# KiCad board PANEL5x4_COM_MOD.kicad_pcb (continued)
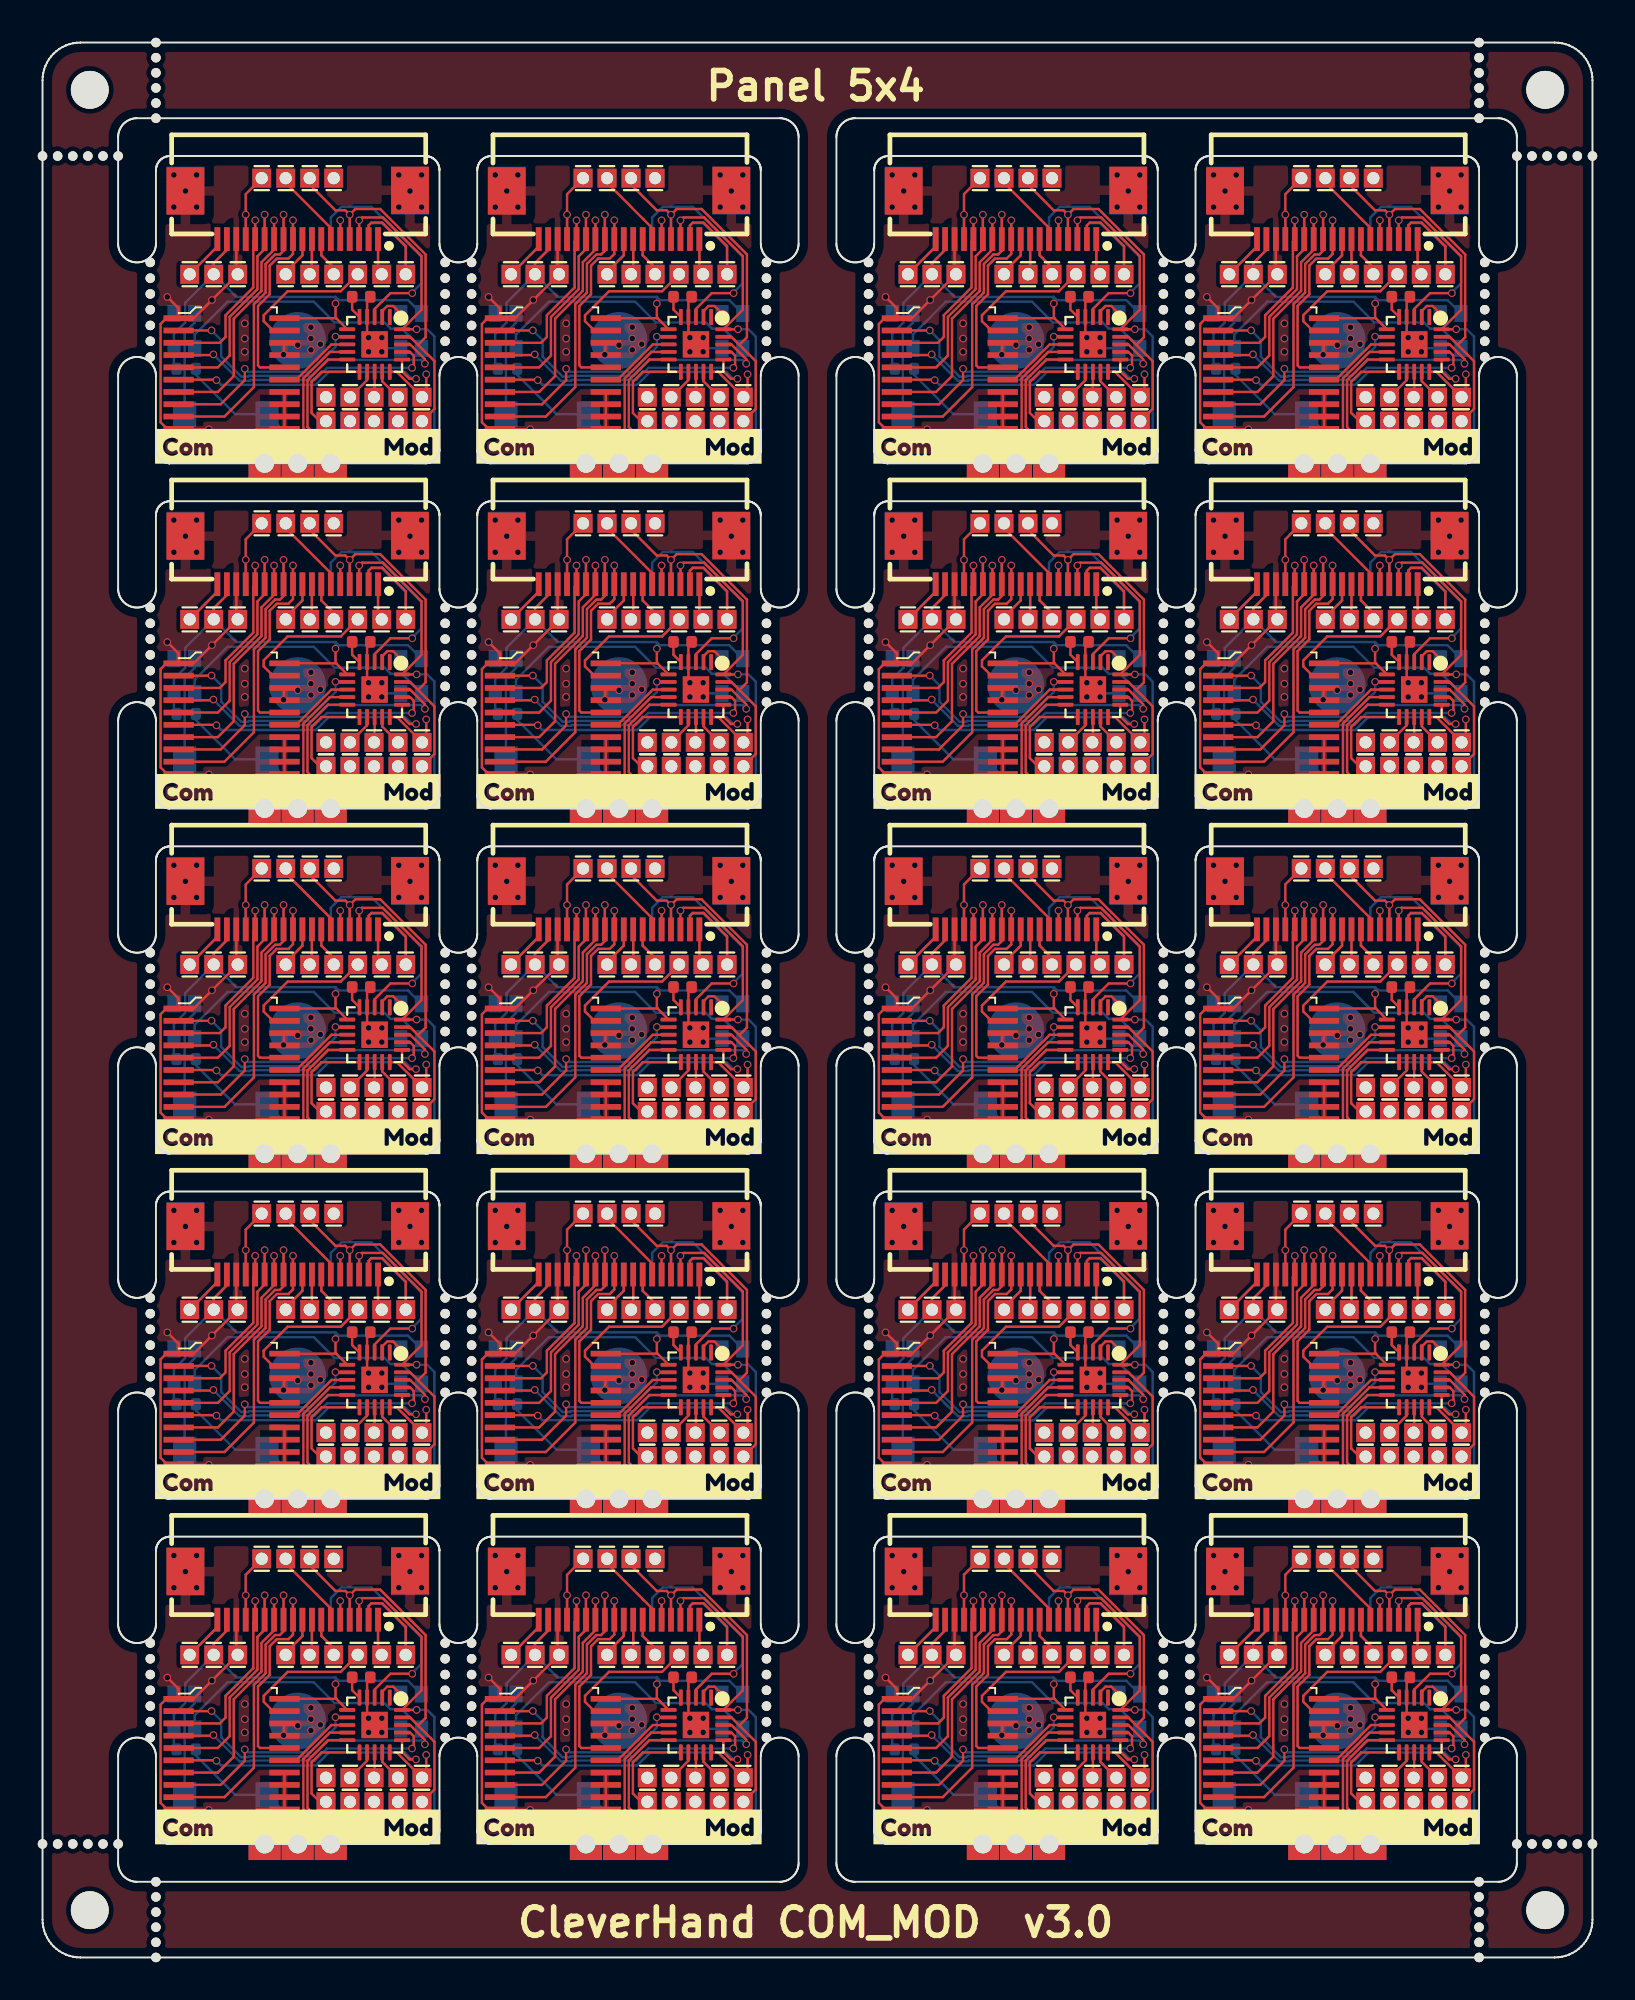
[diagram p0: board, top side]
## Routing (per net, layer and track width the routed paths; a pad name or vN(x,y) marks a point on that pad's centre or on a via; arc(x,y) is an arc through that point) (continued)
  Bottom w0.127: 56.81,81.23 57.46,80.58 58.73,80.58 58.73,85.71 58.35,86.09 v1(57.79,86.09) ; v1(54.75,91.85) 54.75,90.83
Board_2-/I2C_SDA: length 21.5
  Top w0.127: 57.87,85.27 58.27,85.67 58.27,90.05 55.86,92.45 54.55,92.45 v1(54.25,92.15) ; 57.87,85.27 57.44,85.69 U1#9.19 ; 57.87,85.27 58.73,84.4 58.73,81.88 58.08,81.23 ; v1(54.25,92.15) 54.02,92.38 53.49,92.38 52.13,93.74 J10#17.1 ; v1(54.25,92.15) 54.25,90.83
  Bottom w0.127: v1(54.25,92.15) 54.25,90.83
Board_2-/IO1_in: length 12.2
  Top w0.127: v1(57.56,88) 56.4,88 55.57,87.17 U1#9.3
  Bottom w0.127: 53.25,90.83 53.25,92 53.81,92.56 55.4,92.56 58.05,89.91 58.05,88.53 57.56,88.04 v1(57.56,88)
Board_2-/IO1_out: length 24.7
  Top w0.127: J4#9.1 50.87,93.84 53.25,91.45 53.25,90.83 ; U1#9.15 56.74,83.84 58.08,82.5 58.3,82.72 v1(58.3,83.71)
  In2.Cu w0.127: v1(58.3,83.71) 58.64,84.05 58.64,89.71 55.7,92.65 55.7,93.09 54.01,94.78 51.09,94.78 50.87,94.55 J4#9.1
Board_2-/IO2: length 2.1
  Top w0.127: v1(53.75,91.85) 53.75,90.83
  Bottom w0.127: 53.75,90.83 v1(53.75,91.85)
Board_2-/LED_IN: length 1.6
  Top w0.127: v1(56.95,86.92) 56.55,87.32 56.23,87.32 55.97,87.05 U1#9.2
Board_2-/PICO: length 3.7
  Top w0.127: J6#16.1 52.25,89.12 52.25,90.83
  Bottom w0.127: 52.25,90.83 52.25,89.12 J6#16.1
Board_2-/PICO_ARM: length 1.4
  Top w0.127: U1#9.13 55.57,82.53 55.54,82.5
Board_2-/POCI: length 4.4
  Top w0.127: 51.75,90.83 51.75,90 50.87,89.12 J5#4.1
  Bottom w0.127: 51.75,90.83 51.75,90 50.87,89.12 J5#4.1
Board_2-/SCLK: length 4.2
  Top w0.127: 52.75,90.83 52.75,90 53.41,89.35 J7#19.1
  Bottom w0.127: J7#19.1 53.41,89.35 52.75,90 52.75,90.83
Board_2-/SCLK_ARM: length 1.7
  Top w0.127: 54.27,82.5 55.17,83.4 U1#9.12
Board_2-/SPICS_ARM: length 9.9
  Top w0.127: U1#9.9 53.2,84.89 51.8,83.49 51.8,80.83 52.27,80.36 54.67,80.36 55.54,81.23
Board_2-/SWDIO/POCI_ARM: length 1.7
  Top w0.127: U1#9.14 55.97,83.34 56.81,82.5
Board_2-/Vcap: length 1.2
  Top w0.127: U1#9.5 54.38,87.13 C1#3.2
Board_2-GND: length 34.7
  Top w0.127: U2#11.18 v1(50.75,84.75) U2#11.17 ; U2#11.1 45.2,87.2 v1(44.6,87.8) ; U2#11.1 46,86.68 v1(46.96,87.64) J2#17.1 48.25,89.08 48.25,90.83 ; U2#11.1 44.55,86.68 44.25,86.37 44.25,81.17 44.59,80.83 U2#11.10 45.23,80.8 v1(46.8,80.8) ; U2#11.11 49.32,80.83 v1(49.1,80.6) ; U2#11.11 51.45,80.83 ; U2#11.11 U2#11.14 50.34,82.78 ; U1#9.21 55.25,85.61 v1(55.25,85.65) 55.21,85.65 55.17,85.69 U1#9.4 55.17,87.64 C1#3.1
  Bottom w0.127: 48.25,90.83 48.25,89.08 J2#17.1 ; 55.66,85.09 55.76,85.09 v1(55.95,84.9) 56.13,85.09 56.95,85.09 ; 45.51,81.6 45.51,85.9 46.05,86.44 46.05,86.92 46.24,86.92 v1(46.96,87.64)
  vias: v1(44.95,94.25) v1(44.95,92.55) v1(45.56,93.4) v1(46.15,94.25) v1(46.15,92.55) v1(48.7,86.4) v1(48.7,85.6) v1(48.7,84.9) v1(51.5,85.25) v1(52.2,86.2) v1(52.2,85.6) v1(52.2,85) v1(52.7,85.3) v1(55.25,84.9) v1(55.95,85.65) v1(56.85,94.25) v1(56.85,92.55) v1(57.44,93.4) v1(58.05,94.25) v1(58.05,92.55)
Board_2-Net-(LED1-DO): length 14.5
  Bottom w0.127: 46.05,85.09 46.05,85.81 47.79,87.55 52.35,87.55 53.45,86.45 56.09,86.45 56.41,86.13 57.01,86.13 58.05,85.09
Board_3-+3.3V: length 26.7
  Top w0.127: J1#18.1 64.06,89.59 64.75,90.29 64.75,90.83 ; 70.55,86.66 70.53,86.68 U2#3.20 ; 70.55,86.66 70.5,86.71 v1(70.5,87.45) ; 70.55,86.66 U1#12.6
  Bottom w0.127: J1#18.1 65.25,87.8 70.5,87.8 ; J1#18.1 64.06,89.59 64.75,90.29 64.75,90.83 ; J1#18.1 62.55,87.49 62.55,86.45 61.95,85.85 61.95,84.14 R1#11.1 ; 70.5,87.8 70.67,87.63 74.34,87.63 75.05,86.92 ; 70.5,87.8 v1(70.5,87.45)
Board_3-/addr_bus_0: length 10.5
  Top w0.127: v1(66.25,91.85) 66.25,90.83 66.15,90.73 66.15,88.3 64.68,86.83 64.68,85.68 64.37,85.38 U2#3.3
  Bottom w0.127: 66.25,90.83 v1(66.25,91.85)
Board_3-/addr_bus_1: length 12.5
  Top w0.127: v1(66.75,92.15) 66.75,90.33 66.37,89.95 66.37,88.21 64.9,86.74 64.9,84.7 64.27,84.08 U2#3.5
  Bottom w0.127: 66.75,90.83 v1(66.75,92.15)
Board_3-/addr_bus_2: length 13.4
  Top w0.127: v1(67.25,91.85) 67.25,90.3 66.58,89.63 66.58,88.12 65.12,86.65 65.12,83.62 64.27,82.78 U2#3.7
  Bottom w0.127: 67.25,90.83 v1(67.25,91.85)
Board_3-/addr_bus_3: length 15.9
  Top w0.127: v1(67.75,92.15) 67.75,90.24 67.55,90.05 67.3,90.05 66.8,89.54 66.8,88.03 66.18,87.41 66.18,83.03 64.62,81.48 U2#3.9
  Bottom w0.127: 67.75,90.83 v1(67.75,92.15)
Board_3-/addr_bus_4: length 11.3
  Top w0.127: U2#3.16 66.5,84.08 66.4,84.18 66.4,87.32 67.02,87.94 67.02,89.45 67.39,89.83 68.01,89.83 68.25,90.07 v1(68.25,91.85)
  Bottom w0.127: 68.25,90.83 v1(68.25,91.85)
Board_3-/addr_mod_0: length 16.8
  Top w0.127: v1(63.94,86.03) 63.93,86.03 U2#3.2 ; v1(75.23,84.27) 75.23,84.51 74.44,85.29 U1#12.18
  Bottom w0.127: v1(63.94,86.03) 64.45,85.52 64.45,84.65 65.51,83.59 65.87,83.59 65.91,83.63 69.27,83.63 70.12,84.47 75.03,84.47 v1(75.23,84.27)
Board_3-/addr_mod_1: length 14.6
  Top w0.127: U2#3.4 64,84.73 v1(64.04,84.76) ; v1(74.55,84.05) 74.55,84.11 74.64,84.2 74.64,84.7 74.44,84.89 U1#12.17
  Bottom w0.127: v1(74.55,84.05) 70.05,84.05 69.41,83.41 66,83.41 65.96,83.37 65.42,83.37 64.04,84.75 v1(64.04,84.76)
Board_3-/addr_mod_2: length 14.6
  Top w0.127: v1(74.76,83.47) 74.42,83.47 74.02,83.87 U1#12.16 ; v1(64.2,83.4) 64.17,83.43 U2#3.6
  Bottom w0.127: v1(64.2,83.4) 64.45,83.15 69.46,83.15 70.14,83.83 74.18,83.83 74.55,83.47 v1(74.76,83.47)
Board_3-/addr_mod_3: length 11.2
  Top w0.127: U1#12.7 70.69,85.69 70.68,85.7 v1(70.5,85.7) ; v1(65.7,84) 65.7,83.4 64.42,82.13 U2#3.8
  Bottom w0.127: v1(65.7,84) 65.85,83.85 69.18,83.85 70.5,85.16 v1(70.5,85.7)
Board_3-/addr_mod_4: length 4.1
  Top w0.127: U2#3.15 68.42,83.43 70.29,85.29 71.12,85.29 U1#12.8
Board_3-/AIN0: length 5.3
  Top w0.127: 70,81.23 69.67,81.23 69.23,81.67 69.23,83.31 69.76,83.84 U1#12.11
Board_3-/AUX1: length 4.9
  Top w0.127: J19#8.1 64.25,90.47 64.25,90.83
  Bottom w0.127: 64.25,90.83 64.25,90.47 J19#8.1
Board_3-/AUX2: length 9.5
  Top w0.127: J20#7.1 74.22,90.49 72.97,91.73 72.4,91.73 72.25,91.58 72.25,90.83
  Bottom w0.127: 72.25,90.83 72.25,91.58 72.37,91.7 72.96,91.7 74.22,90.44 J20#7.1
Board_3-/AUX3: length 4.9
  Top w0.127: J3#15.1 65.75,93.24 v1(65.75,92.15) 65.75,90.83
  Bottom w0.127: v1(65.75,92.15) 65.75,90.83
Board_3-/CSB: length 7.5
  Top w0.127: U2#3.19 67.19,86.03 66.7,86.52 66.7,86.83 67.97,88.1 70.78,88.1 J8#7.1
Board_3-/extRef: length 3.8
  Top w0.127: 72.75,90.83 72.75,89.2 J9#3.1
  Bottom w0.127: J9#3.1 72.75,89.2 72.75,90.83
Board_3-/GPIO: length 17.7
  Top w0.127: 71.27,81.23 70.62,80.58 69.36,80.58 69.02,80.92 69.02,83.4 70.1,84.49 U1#12.10
  Bottom w0.127: R1#11.2 63.11,83.68 65.19,81.6 66.88,81.6 67.91,80.58 70.62,80.58 71.27,81.23
Board_3-/i2C_SCL: length 22.5
  Top w0.127: 71.75,90.83 v1(71.75,91.85) 71.9,92 73.01,92 75.05,89.96 75.05,87.12 U1#12.20 v1(74.79,86.09)
  In2.Cu w0.127: v1(71.75,91.85) 71.75,92.74 J23#8.1
  Bottom w0.127: v1(74.79,86.09) 75.35,86.09 75.73,85.71 75.73,80.58 74.46,80.58 73.81,81.23 ; v1(71.75,91.85) 71.75,90.83
Board_3-/I2C_SDA: length 21.5
  Top w0.127: 74.87,85.27 75.27,85.67 75.27,90.05 72.86,92.45 71.55,92.45 v1(71.25,92.15) ; 74.87,85.27 74.44,85.69 U1#12.19 ; 74.87,85.27 75.73,84.4 75.73,81.88 75.08,81.23 ; v1(71.25,92.15) 71.02,92.38 70.5,92.38 69.14,93.74 J10#10.1 ; v1(71.25,92.15) 71.25,90.83
  Bottom w0.127: v1(71.25,92.15) 71.25,90.83
Board_3-/IO1_in: length 12.2
  Top w0.127: U1#12.3 72.57,87.17 73.4,88 v1(74.56,88)
  Bottom w0.127: 70.25,90.83 70.25,92 70.81,92.56 72.4,92.56 75.05,89.91 75.05,88.53 74.56,88.04 v1(74.56,88)
Board_3-/IO1_out: length 24.7
  Top w0.127: v1(75.3,83.71) 75.3,82.72 75.08,82.5 73.74,83.84 U1#12.15 ; J4#18.1 67.86,93.84 70.25,91.45 70.25,90.83
  In2.Cu w0.127: J4#18.1 67.86,94.55 68.09,94.78 71.01,94.78 72.7,93.09 72.7,92.65 75.64,89.71 75.64,84.05 v1(75.3,83.71)
Board_3-/IO2: length 2.1
  Top w0.127: v1(70.75,91.85) 70.75,90.83
  Bottom w0.127: 70.75,90.83 v1(70.75,91.85)
Board_3-/LED_IN: length 1.6
  Top w0.127: U1#12.2 72.97,87.05 73.23,87.32 73.55,87.32 v1(73.95,86.92)
Board_3-/PICO: length 3.7
  Top w0.127: J6#12.1 69.25,89.12 69.25,90.83
  Bottom w0.127: 69.25,90.83 69.25,89.12 J6#12.1
Board_3-/PICO_ARM: length 1.4
  Top w0.127: 72.54,82.5 72.57,82.53 U1#12.13
Board_3-/POCI: length 4.4
  Top w0.127: J5#14.1 67.86,89.12 68.75,90 68.75,90.83
  Bottom w0.127: 68.75,90.83 68.75,90 67.86,89.12 J5#14.1
Board_3-/SCLK: length 4.2
  Top w0.127: J7#17.1 70.41,89.35 69.75,90 69.75,90.83
  Bottom w0.127: 69.75,90.83 69.75,90 70.41,89.35 J7#17.1
Board_3-/SCLK_ARM: length 1.7
  Top w0.127: U1#12.12 72.17,83.4 71.27,82.5
Board_3-/SPICS_ARM: length 9.9
  Top w0.127: U1#12.9 70.2,84.89 68.8,83.49 68.8,80.83 69.27,80.36 71.67,80.36 72.54,81.23
Board_3-/SWDIO/POCI_ARM: length 1.7
  Top w0.127: U1#12.14 72.97,83.34 73.81,82.5
Board_3-/Vcap: length 1.2
  Top w0.127: C1#4.2 71.38,87.13 U1#12.5
Board_3-GND: length 34.7
  Top w0.127: U2#3.1 63,86.68 v1(63.96,87.64) J2#16.1 65.25,89.08 65.25,90.83 ; U2#3.1 61.55,86.68 61.25,86.37 61.25,81.17 61.59,80.83 U2#3.10 62.23,80.8 v1(63.8,80.8) ; U2#3.1 62.2,87.2 v1(61.6,87.8) ; v1(66.1,80.6) 66.32,80.83 U2#3.11 ; U2#3.17 v1(67.75,84.75) U2#3.18 ; U2#3.11 68.45,80.83 ; U2#3.11 U2#3.14 67.34,82.78 ; U1#12.21 72.25,85.61 v1(72.25,85.65) 72.21,85.65 72.17,85.69 U1#12.4 72.17,87.64 C1#4.1
  Bottom w0.127: J2#16.1 65.25,89.08 65.25,90.83 ; v1(63.96,87.64) 63.24,86.92 63.05,86.92 63.05,86.44 62.51,85.9 62.51,81.6 ; 72.66,85.09 72.76,85.09 v1(72.95,84.9) 73.13,85.09 73.95,85.09
  vias: v1(61.95,94.25) v1(61.95,92.55) v1(62.56,93.4) v1(63.15,94.25) v1(63.15,92.55) v1(65.7,86.4) v1(65.7,85.6) v1(65.7,84.9) v1(68.5,85.25) v1(69.2,86.2) v1(69.2,85.6) v1(69.2,85) v1(69.7,85.3) v1(72.25,84.9) v1(72.95,85.65) v1(73.85,94.25) v1(73.85,92.55) v1(74.44,93.4) v1(75.05,94.25) v1(75.05,92.55)
Board_3-Net-(LED1-DO): length 14.5
  Bottom w0.127: 63.05,85.09 63.05,85.81 64.79,87.55 69.35,87.55 70.45,86.45 73.09,86.45 73.41,86.13 74.01,86.13 75.05,85.09
Board_4-+3.3V: length 26.7
  Top w0.127: v1(15.5,69.2) 15.5,68.46 15.55,68.41 ; J1.1 9.05,71.34 9.75,72.04 9.75,72.58 ; 15.55,68.41 U1#5.6 ; 15.55,68.41 15.53,68.43 U2#7.20
  Bottom w0.127: 15.5,69.55 v1(15.5,69.2) ; 15.5,69.55 10.25,69.55 J1.1 ; 15.5,69.55 15.67,69.38 19.34,69.38 20.05,68.67 ; J1.1 7.55,69.24 7.55,68.2 6.95,67.6 6.95,65.89 R1#15.1 ; J1.1 9.05,71.34 9.75,72.04 9.75,72.58
Board_4-/addr_bus_0: length 10.5
  Top w0.127: U2#7.3 9.37,67.13 9.68,67.43 9.68,68.58 11.15,70.05 11.15,72.48 11.25,72.58 v1(11.25,73.6)
  Bottom w0.127: 11.25,72.58 v1(11.25,73.6)
Board_4-/addr_bus_1: length 12.5
  Top w0.127: U2#7.5 9.27,65.83 9.9,66.45 9.9,68.49 11.37,69.96 11.37,71.7 11.75,72.08 v1(11.75,73.9)
  Bottom w0.127: 11.75,72.58 v1(11.75,73.9)
Board_4-/addr_bus_2: length 13.4
  Top w0.127: v1(12.25,73.6) 12.25,72.05 11.58,71.38 11.58,69.87 10.12,68.4 10.12,65.37 9.27,64.53 U2#7.7
  Bottom w0.127: 12.25,72.58 v1(12.25,73.6)
Board_4-/addr_bus_3: length 15.9
  Top w0.127: v1(12.75,73.9) 12.75,71.99 12.55,71.8 12.3,71.8 11.8,71.29 11.8,69.78 11.18,69.16 11.18,64.78 9.62,63.23 U2#7.9
  Bottom w0.127: 12.75,72.58 v1(12.75,73.9)
Board_4-/addr_bus_4: length 11.3
  Top w0.127: v1(13.25,73.6) 13.25,71.82 13.01,71.58 12.39,71.58 12.02,71.2 12.02,69.69 11.4,69.07 11.4,65.93 11.5,65.83 U2#7.16
  Bottom w0.127: 13.25,72.58 v1(13.25,73.6)
Board_4-/addr_mod_0: length 16.8
  Top w0.127: v1(8.94,67.78) 8.93,67.78 U2#7.2 ; U1#5.18 19.44,67.04 20.23,66.26 v1(20.23,66.02)
  Bottom w0.127: v1(20.23,66.02) 20.03,66.22 15.12,66.22 14.27,65.38 10.91,65.38 10.87,65.34 10.51,65.34 9.45,66.4 9.45,67.27 v1(8.94,67.78)
Board_4-/addr_mod_1: length 14.6
  Top w0.127: v1(9.04,66.51) 9,66.48 U2#7.4 ; v1(19.55,65.8) 19.55,65.86 19.64,65.95 19.64,66.45 19.44,66.64 U1#5.17
  Bottom w0.127: v1(9.04,66.51) 9.04,66.5 10.42,65.12 10.96,65.12 11,65.16 14.41,65.16 15.05,65.8 v1(19.55,65.8)
Board_4-/addr_mod_2: length 14.6
  Top w0.127: U2#7.6 9.17,65.18 v1(9.2,65.15) ; v1(19.76,65.22) 19.42,65.22 19.02,65.62 U1#5.16
  Bottom w0.127: v1(19.76,65.22) 19.55,65.22 19.18,65.58 15.14,65.58 14.46,64.9 9.45,64.9 v1(9.2,65.15)
Board_4-/addr_mod_3: length 11.2
  Top w0.127: U1#5.7 15.69,67.44 15.68,67.45 v1(15.5,67.45) ; v1(10.7,65.75) 10.7,65.15 9.42,63.88 U2#7.8
  Bottom w0.127: v1(15.5,67.45) 15.5,66.91 14.18,65.6 10.85,65.6 v1(10.7,65.75)
Board_4-/addr_mod_4: length 4.1
  Top w0.127: U1#5.8 16.12,67.04 15.29,67.04 13.42,65.18 U2#7.15
Board_4-/AIN0: length 5.3
  Top w0.127: U1#5.11 14.76,65.59 14.23,65.06 14.23,63.42 14.67,62.98 15,62.98
Board_4-/AUX1: length 4.9
  Top w0.127: J19#11.1 9.25,72.22 9.25,72.58
  Bottom w0.127: J19#11.1 9.25,72.22 9.25,72.58
Board_4-/AUX2: length 9.5
  Top w0.127: 17.25,72.58 17.25,73.33 17.4,73.48 17.97,73.48 19.21,72.24 J20#15.1
  Bottom w0.127: 17.25,72.58 17.25,73.33 17.37,73.45 17.96,73.45 19.21,72.19 J20#15.1
Board_4-/AUX3: length 4.9
  Top w0.127: 10.75,72.58 v1(10.75,73.9) 10.75,74.99 J3#16.1
  Bottom w0.127: v1(10.75,73.9) 10.75,72.58
Board_4-/CSB: length 7.5
  Top w0.127: U2#7.19 12.19,67.78 11.7,68.27 11.7,68.58 12.97,69.85 15.77,69.85 J8#5.1
Board_4-/extRef: length 3.8
  Top w0.127: J9.1 17.75,70.95 17.75,72.58
  Bottom w0.127: 17.75,72.58 17.75,70.95 J9.1
Board_4-/GPIO: length 17.7
  Top w0.127: U1#5.10 15.1,66.24 14.02,65.15 14.02,62.67 14.36,62.33 15.62,62.33 16.27,62.98
  Bottom w0.127: R1#15.2 8.11,65.43 10.19,63.35 11.88,63.35 12.91,62.33 15.62,62.33 16.27,62.98
Board_4-/i2C_SCL: length 22.5
  Top w0.127: 16.75,72.58 v1(16.75,73.6) 16.9,73.75 18.01,73.75 20.05,71.71 20.05,68.87 U1#5.20 v1(19.79,67.84)
  In2.Cu w0.127: v1(16.75,73.6) 16.75,74.49 J23#17.1
  Bottom w0.127: v1(16.75,73.6) 16.75,72.58 ; v1(19.79,67.84) 20.35,67.84 20.73,67.46 20.73,62.33 19.46,62.33 18.81,62.98
Board_4-/I2C_SDA: length 21.5
  Top w0.127: 19.87,67.02 19.44,67.44 U1#5.19 ; 19.87,67.02 20.27,67.42 20.27,71.8 17.86,74.2 16.55,74.2 v1(16.25,73.9) ; 19.87,67.02 20.73,66.15 20.73,63.63 20.08,62.98 ; 16.25,72.58 v1(16.25,73.9) ; v1(16.25,73.9) 16.02,74.13 15.5,74.13 14.14,75.49 J10#13.1
  Bottom w0.127: v1(16.25,73.9) 16.25,72.58
Board_4-/IO1_in: length 12.2
  Top w0.127: U1#5.3 17.57,68.92 18.4,69.75 v1(19.56,69.75)
  Bottom w0.127: v1(19.56,69.75) 19.56,69.79 20.05,70.28 20.05,71.66 17.4,74.31 15.81,74.31 15.25,73.75 15.25,72.58
Board_4-/IO1_out: length 24.7
  Top w0.127: v1(20.3,65.46) 20.3,64.47 20.08,64.25 18.74,65.59 U1#5.15 ; J4#7.1 12.86,75.59 15.25,73.2 15.25,72.58
  In2.Cu w0.127: J4#7.1 12.86,76.3 13.09,76.53 16.01,76.53 17.7,74.84 17.7,74.4 20.64,71.46 20.64,65.8 v1(20.3,65.46)
Board_4-/IO2: length 2.1
  Top w0.127: v1(15.75,73.6) 15.75,72.58
  Bottom w0.127: 15.75,72.58 v1(15.75,73.6)
Board_4-/LED_IN: length 1.6
  Top w0.127: v1(18.95,68.67) 18.55,69.07 18.23,69.07 17.97,68.8 U1#5.2
Board_4-/PICO: length 3.7
  Top w0.127: 14.25,72.58 14.25,70.87 J6#5.1
  Bottom w0.127: 14.25,72.58 14.25,70.87 J6#5.1
Board_4-/PICO_ARM: length 1.4
  Top w0.127: U1#5.13 17.57,64.28 17.54,64.25
Board_4-/POCI: length 4.4
  Top w0.127: 13.75,72.58 13.75,71.75 12.86,70.87 J5#20.1
  Bottom w0.127: 13.75,72.58 13.75,71.75 12.86,70.87 J5#20.1
Board_4-/SCLK: length 4.2
  Top w0.127: J7#7.1 15.41,71.1 14.75,71.75 14.75,72.58
  Bottom w0.127: J7#7.1 15.41,71.1 14.75,71.75 14.75,72.58
Board_4-/SCLK_ARM: length 1.7
  Top w0.127: U1#5.12 17.17,65.15 16.27,64.25
Board_4-/SPICS_ARM: length 9.9
  Top w0.127: 17.54,62.98 16.67,62.11 14.27,62.11 13.8,62.58 13.8,65.24 15.2,66.64 U1#5.9
Board_4-/SWDIO/POCI_ARM: length 1.7
  Top w0.127: U1#5.14 17.97,65.09 18.81,64.25
Board_4-/Vcap: length 1.2
  Top w0.127: C1#12.2 16.38,68.88 U1#5.5
Board_4-GND: length 34.7
  Top w0.127: U2#7.11 13.45,62.58 ; U2#7.11 U2#7.14 12.34,64.53 ; U2#7.11 11.32,62.58 v1(11.1,62.35) ; U2#7.1 7.2,68.95 v1(6.6,69.55) ; U2#7.1 8,68.43 v1(8.96,69.39) J2#9.1 10.25,70.83 10.25,72.58 ; U2#7.1 6.55,68.43 6.25,68.12 6.25,62.92 6.59,62.58 U2#7.10 7.23,62.55 v1(8.8,62.55) ; U2#7.18 v1(12.75,66.5) U2#7.17 ; U1#5.21 17.25,67.36 v1(17.25,67.4) 17.21,67.4 17.17,67.44 U1#5.4 17.17,69.39 C1#12.1
  Bottom w0.127: 7.51,63.35 7.51,67.65 8.05,68.19 8.05,68.67 8.24,68.67 v1(8.96,69.39) ; 10.25,72.58 10.25,70.83 J2#9.1 ; 18.95,66.84 18.13,66.84 v1(17.95,66.65) 17.76,66.84 17.66,66.84
  vias: v1(6.95,76) v1(6.95,74.3) v1(7.56,75.15) v1(8.15,76) v1(8.15,74.3) v1(10.7,68.15) v1(10.7,67.35) v1(10.7,66.65) v1(13.5,67) v1(14.2,67.95) v1(14.2,67.35) v1(14.2,66.75) v1(14.7,67.05) v1(17.25,66.65) v1(17.95,67.4) v1(18.85,76) v1(18.85,74.3) v1(19.44,75.15) v1(20.05,76) v1(20.05,74.3)
Board_4-Net-(LED1-DO): length 14.5
  Bottom w0.127: 8.05,66.84 8.05,67.56 9.79,69.3 14.35,69.3 15.45,68.2 18.09,68.2 18.41,67.88 19.01,67.88 20.05,66.84
Board_5-+3.3V: length 26.7
  Top w0.127: 32.55,68.41 32.53,68.43 U2#2.20 ; 32.55,68.41 32.5,68.46 v1(32.5,69.2) ; 32.55,68.41 U1#11.6 ; J1#17.1 26.05,71.34 26.75,72.04 26.75,72.58
  Bottom w0.127: J1#17.1 24.55,69.24 24.55,68.2 23.95,67.6 23.95,65.89 R1#3.1 ; J1#17.1 26.05,71.34 26.75,72.04 26.75,72.58 ; J1#17.1 27.26,69.55 32.5,69.55 ; 32.5,69.55 32.67,69.38 36.34,69.38 37.05,68.67 ; 32.5,69.55 v1(32.5,69.2)
Board_5-/addr_bus_0: length 10.5
  Top w0.127: U2#2.3 26.37,67.13 26.68,67.43 26.68,68.58 28.15,70.05 28.15,72.48 28.25,72.58 v1(28.25,73.6)
  Bottom w0.127: 28.25,72.58 v1(28.25,73.6)
Board_5-/addr_bus_1: length 12.5
  Top w0.127: U2#2.5 26.27,65.83 26.9,66.45 26.9,68.49 28.37,69.96 28.37,71.7 28.75,72.08 v1(28.75,73.9)
  Bottom w0.127: 28.75,72.58 v1(28.75,73.9)
Board_5-/addr_bus_2: length 13.4
  Top w0.127: v1(29.25,73.6) 29.25,72.05 28.58,71.38 28.58,69.87 27.12,68.4 27.12,65.37 26.27,64.53 U2#2.7
  Bottom w0.127: 29.25,72.58 v1(29.25,73.6)
Board_5-/addr_bus_3: length 15.9
  Top w0.127: v1(29.75,73.9) 29.75,71.99 29.55,71.8 29.3,71.8 28.8,71.29 28.8,69.78 28.18,69.16 28.18,64.78 26.62,63.23 U2#2.9
  Bottom w0.127: 29.75,72.58 v1(29.75,73.9)
Board_5-/addr_bus_4: length 11.3
  Top w0.127: v1(30.25,73.6) 30.25,71.82 30.01,71.58 29.39,71.58 29.02,71.2 29.02,69.69 28.4,69.07 28.4,65.93 28.5,65.83 U2#2.16
  Bottom w0.127: 30.25,72.58 v1(30.25,73.6)
Board_5-/addr_mod_0: length 16.8
  Top w0.127: v1(25.94,67.78) 25.93,67.78 U2#2.2 ; U1#11.18 36.44,67.04 37.23,66.26 v1(37.23,66.02)
  Bottom w0.127: v1(37.23,66.02) 37.03,66.22 32.12,66.22 31.27,65.38 27.91,65.38 27.87,65.34 27.51,65.34 26.45,66.4 26.45,67.27 v1(25.94,67.78)
Board_5-/addr_mod_1: length 14.6
  Top w0.127: U1#11.17 36.44,66.64 36.64,66.45 36.64,65.95 36.55,65.86 v1(36.55,65.8) ; U2#2.4 26,66.48 v1(26.04,66.51)
  Bottom w0.127: v1(26.04,66.51) 26.04,66.5 27.42,65.12 27.96,65.12 28,65.16 31.41,65.16 32.05,65.8 v1(36.55,65.8)
Board_5-/addr_mod_2: length 14.6
  Top w0.127: U1#11.16 36.02,65.62 36.42,65.22 v1(36.76,65.22) ; v1(26.2,65.15) 26.17,65.18 U2#2.6
  Bottom w0.127: v1(26.2,65.15) 26.45,64.9 31.46,64.9 32.14,65.58 36.18,65.58 36.55,65.22 v1(36.76,65.22)
Board_5-/addr_mod_3: length 11.2
  Top w0.127: v1(32.5,67.45) 32.68,67.45 32.69,67.44 U1#11.7 ; v1(27.7,65.75) 27.7,65.15 26.42,63.88 U2#2.8
  Bottom w0.127: v1(32.5,67.45) 32.5,66.91 31.18,65.6 27.85,65.6 v1(27.7,65.75)
Board_5-/addr_mod_4: length 4.1
  Top w0.127: U2#2.15 30.42,65.18 32.29,67.04 33.12,67.04 U1#11.8
Board_5-/AIN0: length 5.3
  Top w0.127: 32,62.98 31.67,62.98 31.23,63.42 31.23,65.06 31.76,65.59 U1#11.11
Board_5-/AUX1: length 4.9
  Top w0.127: 26.25,72.58 26.25,72.22 J19#12.1
  Bottom w0.127: J19#12.1 26.25,72.22 26.25,72.58
Board_5-/AUX2: length 9.5
  Top w0.127: J20#17.1 36.22,72.24 34.97,73.48 34.4,73.48 34.25,73.33 34.25,72.58
  Bottom w0.127: J20#17.1 36.22,72.19 34.96,73.45 34.37,73.45 34.25,73.33 34.25,72.58
Board_5-/AUX3: length 4.9
  Top w0.127: 27.75,72.58 v1(27.75,73.9) 27.75,74.99 J3#9.1
  Bottom w0.127: v1(27.75,73.9) 27.75,72.58
Board_5-/CSB: length 7.5
  Top w0.127: J8#4.1 32.77,69.85 29.97,69.85 28.7,68.58 28.7,68.27 29.19,67.78 U2#2.19
Board_5-/extRef: length 3.8
  Top w0.127: J9#5.1 34.75,70.95 34.75,72.58
  Bottom w0.127: 34.75,72.58 34.75,70.95 J9#5.1
Board_5-/GPIO: length 17.7
  Top w0.127: 33.27,62.98 32.62,62.33 31.36,62.33 31.02,62.67 31.02,65.15 32.1,66.24 U1#11.10
  Bottom w0.127: 33.27,62.98 32.62,62.33 29.91,62.33 28.88,63.35 27.19,63.35 25.11,65.43 R1#3.2
Board_5-/i2C_SCL: length 22.5
  Top w0.127: v1(36.79,67.84) U1#11.20 37.05,68.87 37.05,71.71 35.01,73.75 33.9,73.75 v1(33.75,73.6) 33.75,72.58
  In2.Cu w0.127: v1(33.75,73.6) 33.75,74.49 J23#6.1
  Bottom w0.127: 35.81,62.98 36.46,62.33 37.73,62.33 37.73,67.46 37.35,67.84 v1(36.79,67.84) ; v1(33.75,73.6) 33.75,72.58
Board_5-/I2C_SDA: length 21.5
  Top w0.127: v1(33.25,73.9) 33.02,74.13 32.49,74.13 31.13,75.49 J10#18.1 ; v1(33.25,73.9) 33.25,72.58 ; v1(33.25,73.9) 33.55,74.2 34.86,74.2 37.27,71.8 37.27,67.42 36.87,67.02 ; 37.08,62.98 37.73,63.63 37.73,66.15 36.87,67.02 ; U1#11.19 36.44,67.44 36.87,67.02
  Bottom w0.127: v1(33.25,73.9) 33.25,72.58
Board_5-/IO1_in: length 12.2
  Top w0.127: U1#11.3 34.57,68.92 35.4,69.75 v1(36.56,69.75)
  Bottom w0.127: v1(36.56,69.75) 36.56,69.79 37.05,70.28 37.05,71.66 34.4,74.31 32.81,74.31 32.25,73.75 32.25,72.58
Board_5-/IO1_out: length 24.7
  Top w0.127: 32.25,72.58 32.25,73.2 29.87,75.59 J4#12.1 ; U1#11.15 35.74,65.59 37.08,64.25 37.3,64.47 v1(37.3,65.46)
  In2.Cu w0.127: v1(37.3,65.46) 37.64,65.8 37.64,71.46 34.7,74.4 34.7,74.84 33.01,76.53 30.09,76.53 29.87,76.3 J4#12.1
Board_5-/IO2: length 2.1
  Top w0.127: v1(32.75,73.6) 32.75,72.58
  Bottom w0.127: 32.75,72.58 v1(32.75,73.6)
Board_5-/LED_IN: length 1.6
  Top w0.127: U1#11.2 34.97,68.8 35.23,69.07 35.55,69.07 v1(35.95,68.67)
Board_5-/PICO: length 3.7
  Top w0.127: 31.25,72.58 31.25,70.87 J6#20.1
  Bottom w0.127: 31.25,72.58 31.25,70.87 J6#20.1
Board_5-/PICO_ARM: length 1.4
  Top w0.127: U1#11.13 34.57,64.28 34.54,64.25
Board_5-/POCI: length 4.4
  Top w0.127: 30.75,72.58 30.75,71.75 29.87,70.87 J5#18.1
  Bottom w0.127: J5#18.1 29.87,70.87 30.75,71.75 30.75,72.58
Board_5-/SCLK: length 4.2
  Top w0.127: 31.75,72.58 31.75,71.75 32.41,71.1 J7#9.1
  Bottom w0.127: 31.75,72.58 31.75,71.75 32.41,71.1 J7#9.1
Board_5-/SCLK_ARM: length 1.7
  Top w0.127: U1#11.12 34.17,65.15 33.27,64.25
Board_5-/SPICS_ARM: length 9.9
  Top w0.127: U1#11.9 32.2,66.64 30.8,65.24 30.8,62.58 31.27,62.11 33.67,62.11 34.54,62.98
Board_5-/SWDIO/POCI_ARM: length 1.7
  Top w0.127: U1#11.14 34.97,65.09 35.81,64.25
Board_5-/Vcap: length 1.2
  Top w0.127: C1#13.2 33.38,68.88 U1#11.5
Board_5-GND: length 34.7
  Top w0.127: U2#2.11 30.45,62.58 ; U2#2.11 28.32,62.58 v1(28.1,62.35) ; U2#2.11 U2#2.14 29.34,64.53 ; C1#13.1 34.17,69.39 U1#11.4 34.17,67.44 34.21,67.4 v1(34.25,67.4) 34.25,67.36 U1#11.21 ; U2#2.18 v1(29.75,66.5) U2#2.17 ; 27.25,72.58 27.25,70.83 J2#4.1 v1(25.96,69.39) 25,68.43 U2#2.1 ; v1(25.8,62.55) 24.23,62.55 U2#2.10 23.59,62.58 23.25,62.92 23.25,68.12 23.55,68.43 U2#2.1 ; U2#2.1 24.2,68.95 v1(23.6,69.55)
  Bottom w0.127: 35.95,66.84 35.13,66.84 v1(34.95,66.65) 34.76,66.84 34.66,66.84 ; J2#4.1 27.25,70.83 27.25,72.58 ; 24.51,63.35 24.51,67.65 25.05,68.19 25.05,68.67 25.24,68.67 v1(25.96,69.39)
  vias: v1(23.95,76) v1(23.95,74.3) v1(24.56,75.15) v1(25.15,76) v1(25.15,74.3) v1(27.7,68.15) v1(27.7,67.35) v1(27.7,66.65) v1(30.5,67) v1(31.2,67.95) v1(31.2,67.35) v1(31.2,66.75) v1(31.7,67.05) v1(34.25,66.65) v1(34.95,67.4) v1(35.85,76) v1(35.85,74.3) v1(36.44,75.15) v1(37.05,76) v1(37.05,74.3)
Board_5-Net-(LED1-DO): length 14.5
  Bottom w0.127: 37.05,66.84 36.01,67.88 35.41,67.88 35.09,68.2 32.45,68.2 31.35,69.3 26.79,69.3 25.05,67.56 25.05,66.84
Board_6-+3.3V: length 26.7
  Top w0.127: U1#19.6 53.55,68.41 ; 53.55,68.41 53.5,68.46 v1(53.5,69.2) ; 53.55,68.41 53.53,68.43 U2#5.20 ; 47.75,72.58 47.75,72.04 47.05,71.34 J1#19.1
  Bottom w0.127: 53.5,69.55 53.67,69.38 57.34,69.38 58.05,68.67 ; 53.5,69.55 48.26,69.55 J1#19.1 ; 53.5,69.55 v1(53.5,69.2) ; R1#9.1 44.95,65.89 44.95,67.6 45.55,68.2 45.55,69.24 J1#19.1 ; J1#19.1 47.05,71.34 47.75,72.04 47.75,72.58
Board_6-/addr_bus_0: length 10.5
  Top w0.127: v1(49.25,73.6) 49.25,72.58 49.15,72.48 49.15,70.05 47.68,68.58 47.68,67.43 47.37,67.13 U2#5.3
  Bottom w0.127: 49.25,72.58 v1(49.25,73.6)
Board_6-/addr_bus_1: length 12.5
  Top w0.127: v1(49.75,73.9) 49.75,72.08 49.37,71.7 49.37,69.96 47.9,68.49 47.9,66.45 47.27,65.83 U2#5.5
  Bottom w0.127: 49.75,72.58 v1(49.75,73.9)
Board_6-/addr_bus_2: length 13.4
  Top w0.127: v1(50.25,73.6) 50.25,72.05 49.58,71.38 49.58,69.87 48.12,68.4 48.12,65.37 47.27,64.53 U2#5.7
  Bottom w0.127: 50.25,72.58 v1(50.25,73.6)
Board_6-/addr_bus_3: length 15.9
  Top w0.127: U2#5.9 47.62,63.23 49.18,64.78 49.18,69.16 49.8,69.78 49.8,71.29 50.3,71.8 50.55,71.8 50.75,71.99 v1(50.75,73.9)
  Bottom w0.127: 50.75,72.58 v1(50.75,73.9)
Board_6-/addr_bus_4: length 11.3
  Top w0.127: U2#5.16 49.5,65.83 49.4,65.93 49.4,69.07 50.02,69.69 50.02,71.2 50.39,71.58 51.01,71.58 51.25,71.82 v1(51.25,73.6)
  Bottom w0.127: 51.25,72.58 v1(51.25,73.6)
Board_6-/addr_mod_0: length 16.8
  Top w0.127: U2#5.2 46.93,67.78 v1(46.94,67.78) ; v1(58.23,66.02) 58.23,66.26 57.44,67.04 U1#19.18
  Bottom w0.127: v1(46.94,67.78) 47.45,67.27 47.45,66.4 48.51,65.34 48.87,65.34 48.91,65.38 52.27,65.38 53.12,66.22 58.03,66.22 v1(58.23,66.02)
Board_6-/addr_mod_1: length 14.6
  Top w0.127: U2#5.4 47,66.48 v1(47.04,66.51) ; v1(57.55,65.8) 57.55,65.86 57.64,65.95 57.64,66.45 57.44,66.64 U1#19.17
  Bottom w0.127: v1(57.55,65.8) 53.05,65.8 52.41,65.16 49,65.16 48.96,65.12 48.42,65.12 47.04,66.5 v1(47.04,66.51)
